# KiCad board JL.kicad_pcb (continued)
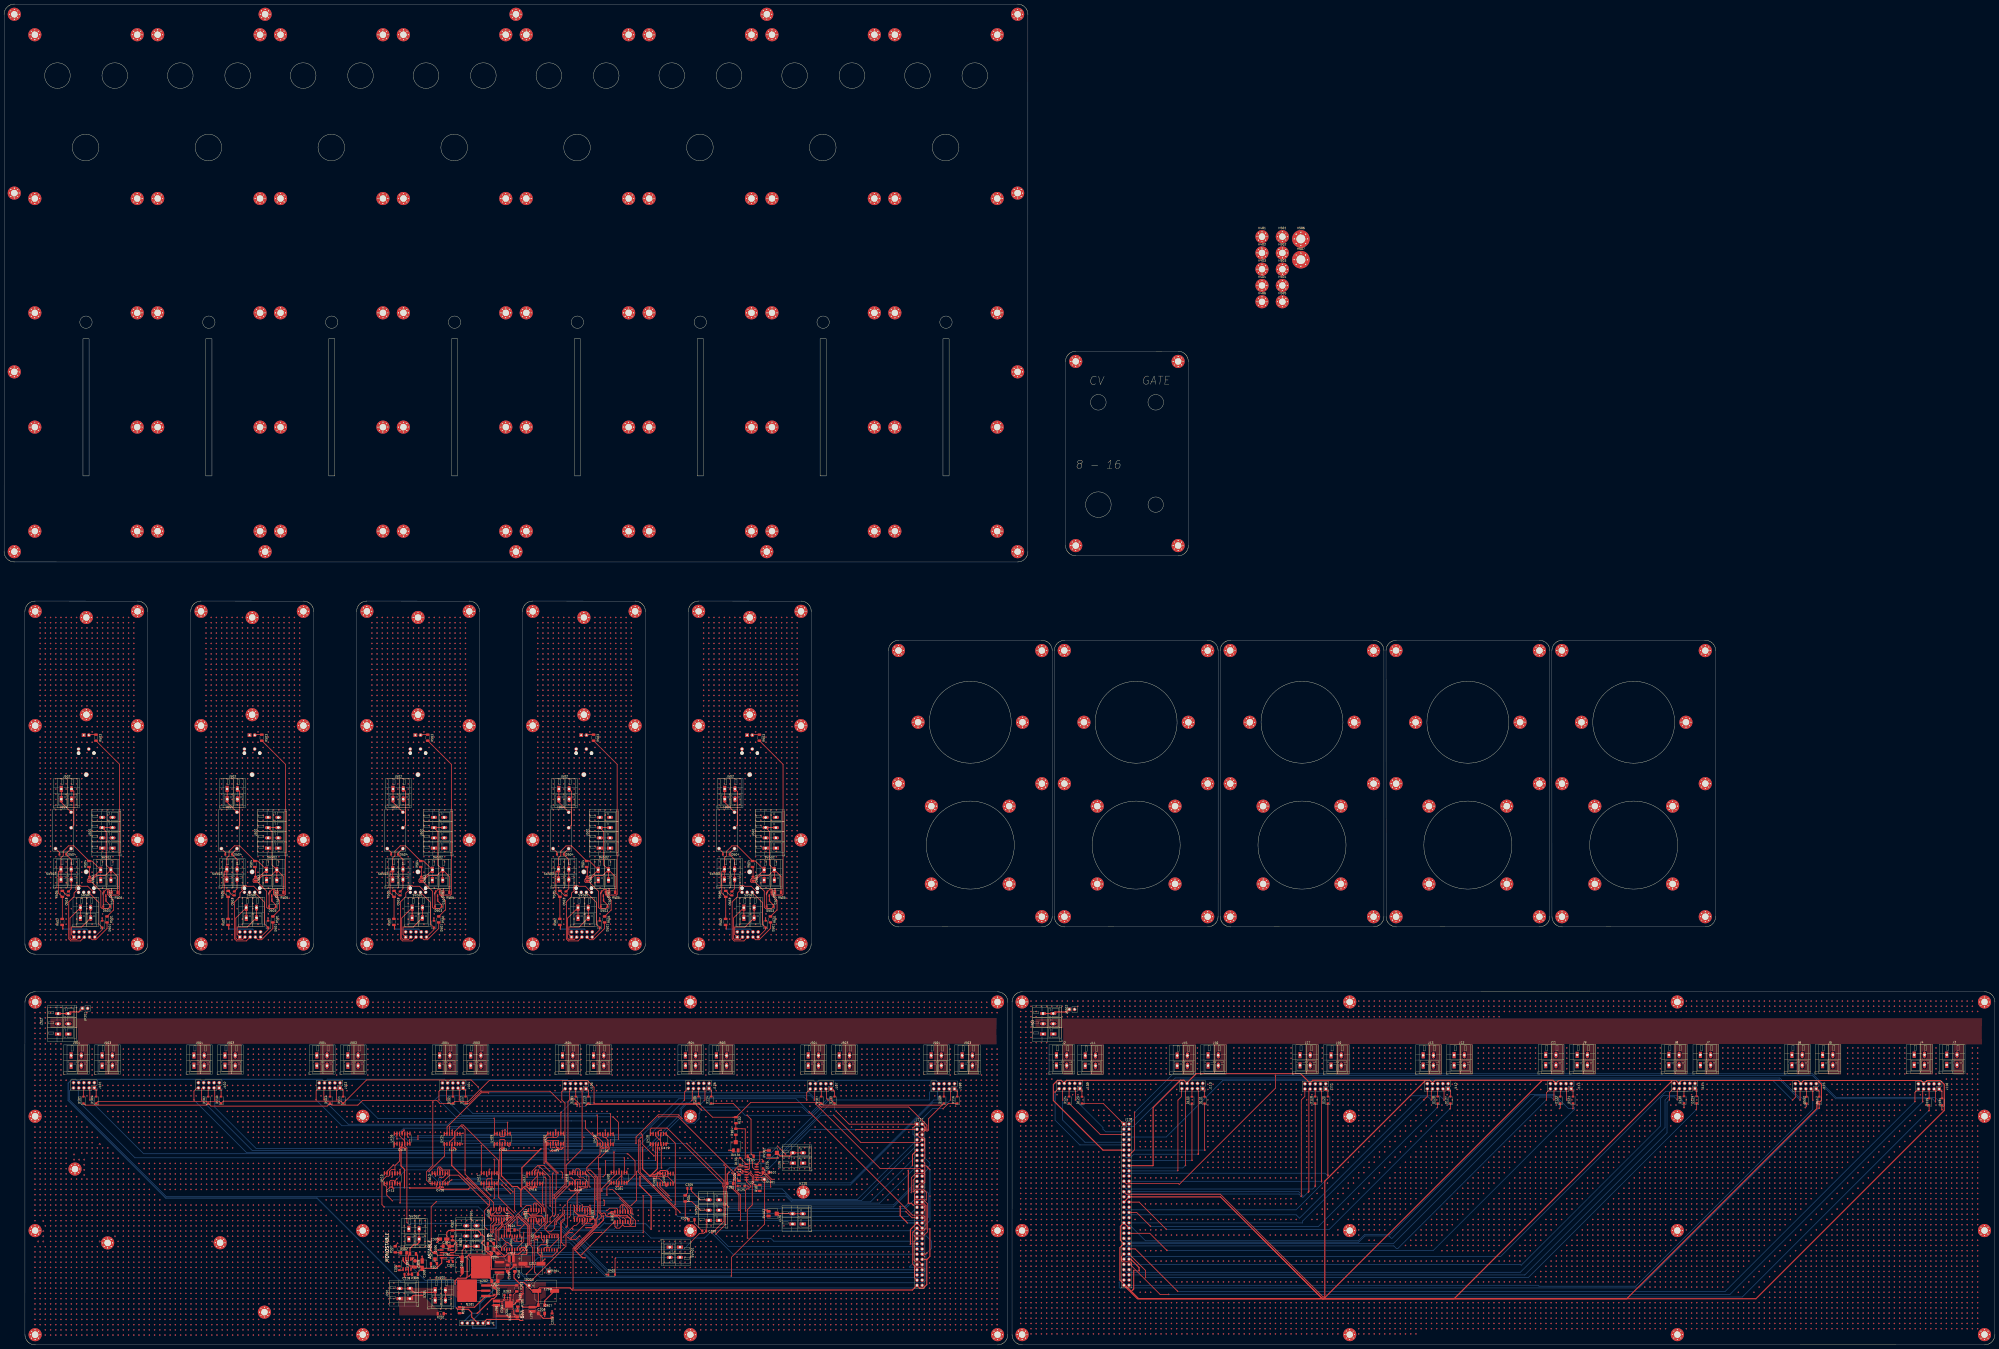
[diagram p0: board, top side]
## Routing (per net, layer and track width the routed paths; a pad name or vN(x,y) marks a point on that pad's centre or on a via; arc(x,y) is an arc through that point) (continued)
v1(661.54,15.55) v1(661.54,13.01) v1(661.54,10.47) v1(661.54,7.93) v1(661.54,5.39) v1(664.08,167.95) v1(664.08,165.41) v1(664.08,162.87) v1(664.08,160.33) v1(664.08,145.09) v1(664.08,142.55) v1(664.08,140.01) v1(664.08,137.47) v1(664.08,134.93) v1(664.08,127.31) v1(664.08,124.77) v1(664.08,122.23) v1(664.08,119.69) v1(664.08,117.15) v1(664.08,114.61) v1(664.08,112.07) v1(664.08,109.53) v1(664.08,106.99) v1(664.08,104.45) v1(664.08,101.91) v1(664.08,96.83) v1(664.08,86.67) v1(664.08,84.13) v1(664.08,76.51) v1(664.08,68.89) v1(664.08,66.35) v1(664.08,63.81) v1(664.08,61.27) v1(664.08,58.73) v1(664.08,56.19) v1(664.08,30.79) v1(664.08,20.63) v1(664.08,18.09) v1(664.08,15.55) v1(664.08,13.01) v1(664.08,10.47) v1(664.08,7.93) v1(664.08,5.39) v1(666.62,167.95) v1(666.62,165.41) v1(666.62,162.87) v1(666.62,160.33) v1(666.62,145.09) v1(666.62,142.55) v1(666.62,140.01) v1(666.62,137.47) v1(666.62,134.93) v1(666.62,127.31) v1(666.62,124.77) v1(666.62,122.23) v1(666.62,119.69) v1(666.62,117.15) v1(666.62,114.61) v1(666.62,112.07) v1(666.62,109.53) v1(666.62,106.99) v1(666.62,104.45) v1(666.62,99.37) v1(666.62,89.21) v1(666.62,86.67) v1(666.62,79.05) v1(666.62,71.43) v1(666.62,68.89) v1(666.62,66.35) v1(666.62,63.81) v1(666.62,61.27) v1(666.62,58.73) v1(666.62,56.19) v1(666.62,51.11) v1(666.62,40.95) v1(666.62,30.79) v1(666.62,20.63) v1(666.62,18.09) v1(666.62,15.55) v1(666.62,13.01) v1(666.62,10.47) v1(666.62,7.93) v1(666.62,5.39) v1(669.16,167.95) v1(669.16,165.41) v1(669.16,162.87) v1(669.16,160.33) v1(669.16,145.09) v1(669.16,142.55) v1(669.16,140.01) v1(669.16,137.47) v1(669.16,134.93) v1(669.16,127.31) v1(669.16,124.77) v1(669.16,122.23) v1(669.16,119.69) v1(669.16,117.15) v1(669.16,114.61) v1(669.16,112.07) v1(669.16,109.53) v1(669.16,106.99) v1(669.16,101.91) v1(669.16,91.75) v1(669.16,89.21) v1(669.16,81.59) v1(669.16,73.97) v1(669.16,71.43) v1(669.16,68.89) v1(669.16,66.35) v1(669.16,63.81) v1(669.16,61.27) v1(669.16,58.73) v1(669.16,56.19) v1(669.16,51.11) v1(669.16,40.95) v1(669.16,30.79) v1(669.16,20.63) v1(669.16,18.09) v1(669.16,15.55) v1(669.16,13.01) v1(669.16,10.47) v1(669.16,7.93) v1(669.16,5.39) v1(671.7,167.95) v1(671.7,165.41) v1(671.7,162.87) v1(671.7,160.33) v1(671.7,145.09) v1(671.7,142.55) v1(671.7,140.01) v1(671.7,137.47) v1(671.7,134.93) v1(671.7,127.31) v1(671.7,124.77) v1(671.7,122.23) v1(671.7,119.69) v1(671.7,117.15) v1(671.7,114.61) v1(671.7,112.07) v1(671.7,109.53) v1(671.7,104.45) v1(671.7,94.29) v1(671.7,91.75) v1(671.7,84.13) v1(671.7,76.51) v1(671.7,73.97) v1(671.7,71.43) v1(671.7,68.89) v1(671.7,66.35) v1(671.7,63.81) v1(671.7,61.27) v1(671.7,58.73) v1(671.7,56.19) v1(671.7,40.95) v1(671.7,30.79) v1(671.7,20.63) v1(671.7,18.09) v1(671.7,15.55) v1(671.7,13.01) v1(671.7,10.47) v1(671.7,7.93) v1(671.7,5.39) v1(674.24,167.95) v1(674.24,165.41) v1(674.24,162.87) v1(674.24,160.33) v1(674.24,145.09) v1(674.24,142.55) v1(674.24,140.01) v1(674.24,137.47) v1(674.24,134.93) v1(674.24,127.31) v1(674.24,124.77) v1(674.24,122.23) v1(674.24,119.69) v1(674.24,117.15) v1(674.24,114.61) v1(674.24,112.07) v1(674.24,106.99) v1(674.24,96.83) v1(674.24,94.29) v1(674.24,86.67) v1(674.24,79.05) v1(674.24,76.51) v1(674.24,73.97) v1(674.24,71.43) v1(674.24,68.89) v1(674.24,66.35) v1(674.24,63.81) v1(674.24,61.27) v1(674.24,58.73) v1(674.24,56.19) v1(674.24,40.95) v1(674.24,30.79) v1(674.24,20.63) v1(674.24,18.09) v1(674.24,15.55) v1(674.24,13.01) v1(674.24,10.47) v1(674.24,7.93) v1(674.24,5.39) v1(676.78,167.95) v1(676.78,165.41) v1(676.78,162.87) v1(676.78,160.33) v1(676.78,145.09) v1(676.78,142.55) v1(676.78,140.01) v1(676.78,137.47) v1(676.78,134.93) v1(676.78,127.31) v1(676.78,124.77) v1(676.78,122.23) v1(676.78,119.69) v1(676.78,117.15) v1(676.78,114.61) v1(676.78,109.53) v1(676.78,99.37) v1(676.78,96.83) v1(676.78,89.21) v1(676.78,81.59) v1(676.78,79.05) v1(676.78,76.51) v1(676.78,73.97) v1(676.78,71.43) v1(676.78,68.89) v1(676.78,66.35) v1(676.78,63.81) v1(676.78,61.27) v1(676.78,58.73) v1(676.78,40.95) v1(676.78,30.79) v1(676.78,20.63) v1(676.78,18.09) v1(676.78,15.55) v1(676.78,13.01) v1(676.78,10.47) v1(676.78,7.93) v1(676.78,5.39) v1(679.32,167.95) v1(679.32,165.41) v1(679.32,162.87) v1(679.32,160.33) v1(679.32,145.09) v1(679.32,142.55) v1(679.32,140.01) v1(679.32,137.47) v1(679.32,134.93) v1(679.32,127.31) v1(679.32,124.77) v1(679.32,122.23) v1(679.32,119.69) v1(679.32,117.15) v1(679.32,112.07) v1(679.32,101.91) v1(679.32,99.37) v1(679.32,91.75) v1(679.32,84.13) v1(679.32,81.59) v1(679.32,79.05) v1(679.32,76.51) v1(679.32,73.97) v1(679.32,71.43) v1(679.32,68.89) v1(679.32,66.35) v1(679.32,63.81) v1(679.32,61.27) v1(679.32,40.95) v1(679.32,30.79) v1(679.32,20.63) v1(679.32,18.09) v1(679.32,15.55) v1(679.32,13.01) v1(679.32,10.47) v1(679.32,7.93) v1(679.32,5.39) v1(681.86,167.95) v1(681.86,165.41) v1(681.86,162.87) v1(681.86,160.33) v1(681.86,145.09) v1(681.86,142.55) v1(681.86,140.01) v1(681.86,137.47) v1(681.86,134.93) v1(681.86,127.31) v1(681.86,124.77) v1(681.86,122.23) v1(681.86,119.69) v1(681.86,114.61) v1(681.86,104.45) v1(681.86,101.91) v1(681.86,94.29) v1(681.86,86.67) v1(681.86,84.13) v1(681.86,81.59) v1(681.86,79.05) v1(681.86,76.51) v1(681.86,73.97) v1(681.86,71.43) v1(681.86,68.89) v1(681.86,66.35) v1(681.86,63.81) v1(681.86,40.95) v1(681.86,30.79) v1(681.86,20.63) v1(681.86,18.09) v1(681.86,15.55) v1(681.86,13.01) v1(681.86,10.47) v1(681.86,7.93) v1(681.86,5.39) v1(684.4,167.95) v1(684.4,165.41) v1(684.4,162.87) v1(684.4,160.33) v1(684.4,145.09) v1(684.4,142.55) v1(684.4,140.01) v1(684.4,137.47) v1(684.4,134.93) v1(684.4,127.31) v1(684.4,124.77) v1(684.4,122.23) v1(684.4,117.15) v1(684.4,106.99) v1(684.4,104.45) v1(684.4,96.83) v1(684.4,89.21) v1(684.4,86.67) v1(684.4,84.13) v1(684.4,81.59) v1(684.4,79.05) v1(684.4,76.51) v1(684.4,73.97) v1(684.4,71.43) v1(684.4,68.89) v1(684.4,66.35) v1(684.4,48.57) v1(684.4,40.95) v1(684.4,30.79) v1(684.4,20.63) v1(684.4,18.09) v1(684.4,15.55) v1(684.4,13.01) v1(684.4,10.47) v1(684.4,7.93) v1(684.4,5.39) v1(686.94,167.95) v1(686.94,165.41) v1(686.94,162.87) v1(686.94,160.33) v1(686.94,145.09) v1(686.94,142.55) v1(686.94,140.01) v1(686.94,137.47) v1(686.94,134.93) v1(686.94,127.31) v1(686.94,124.77) v1(686.94,119.69) v1(686.94,109.53) v1(686.94,106.99) v1(686.94,99.37) v1(686.94,91.75) v1(686.94,89.21) v1(686.94,86.67) v1(686.94,84.13) v1(686.94,81.59) v1(686.94,79.05) v1(686.94,76.51) v1(686.94,73.97) v1(686.94,71.43) v1(686.94,68.89) v1(686.94,51.11) v1(686.94,48.57) v1(686.94,40.95) v1(686.94,30.79) v1(686.94,20.63) v1(686.94,18.09) v1(686.94,15.55) v1(686.94,13.01) v1(686.94,10.47) v1(686.94,7.93) v1(686.94,5.39) v1(689.48,167.95) v1(689.48,165.41) v1(689.48,162.87) v1(689.48,160.33) v1(689.48,127.31) v1(689.48,112.07) v1(689.48,109.53) v1(689.48,101.91) v1(689.48,94.29) v1(689.48,91.75) v1(689.48,89.21) v1(689.48,86.67) v1(689.48,84.13) v1(689.48,81.59) v1(689.48,79.05) v1(689.48,76.51) v1(689.48,73.97) v1(689.48,71.43) v1(689.48,53.65) v1(689.48,51.11) v1(689.48,48.57) v1(689.48,40.95) v1(689.48,30.79) v1(689.48,20.63) v1(689.48,18.09) v1(689.48,15.55) v1(689.48,13.01) v1(689.48,10.47) v1(689.48,7.93) v1(689.48,5.39) v1(692.02,167.95) v1(692.02,165.41) v1(692.02,162.87) v1(692.02,160.33) v1(692.02,124.77) v1(692.02,114.61) v1(692.02,112.07) v1(692.02,104.45) v1(692.02,96.83) v1(692.02,94.29) v1(692.02,91.75) v1(692.02,89.21) v1(692.02,86.67) v1(692.02,84.13) v1(692.02,81.59) v1(692.02,79.05) v1(692.02,76.51) v1(692.02,73.97) v1(692.02,56.19) v1(692.02,53.65) v1(692.02,51.11) v1(692.02,48.57) v1(692.02,40.95) v1(692.02,30.79) v1(692.02,20.63) v1(692.02,18.09) v1(692.02,15.55) v1(692.02,13.01) v1(692.02,10.47) v1(692.02,7.93) v1(694.56,167.95) v1(694.56,165.41) v1(694.56,162.87) v1(694.56,160.33) v1(694.56,117.15) v1(694.56,114.61) v1(694.56,106.99) v1(694.56,99.37) v1(694.56,96.83) v1(694.56,94.29) v1(694.56,91.75) v1(694.56,89.21) v1(694.56,86.67) v1(694.56,84.13) v1(694.56,81.59) v1(694.56,79.05) v1(694.56,76.51) v1(694.56,58.73) v1(694.56,56.19) v1(694.56,53.65) v1(694.56,51.11) v1(694.56,48.57) v1(694.56,40.95) v1(694.56,30.79) v1(694.56,20.63) v1(694.56,18.09) v1(694.56,15.55) v1(694.56,13.01) v1(694.56,10.47) v1(694.56,7.93) v1(697.1,167.95) v1(697.1,165.41) v1(697.1,162.87) v1(697.1,160.33) v1(697.1,117.15) v1(697.1,109.53) v1(697.1,101.91) v1(697.1,99.37) v1(697.1,96.83) v1(697.1,94.29) v1(697.1,91.75) v1(697.1,89.21) v1(697.1,86.67) v1(697.1,84.13) v1(697.1,81.59) v1(697.1,79.05) v1(697.1,61.27) v1(697.1,58.73) v1(697.1,56.19) v1(697.1,53.65) v1(697.1,51.11) v1(697.1,48.57) v1(697.1,40.95) v1(697.1,30.79) v1(697.1,20.63) v1(697.1,18.09) v1(697.1,15.55) v1(697.1,13.01) v1(697.1,10.47) v1(697.1,7.93) v1(699.64,167.95) v1(699.64,165.41) v1(699.64,162.87) v1(699.64,160.33) v1(699.64,119.69) v1(699.64,112.07) v1(699.64,104.45) v1(699.64,101.91) v1(699.64,99.37) v1(699.64,96.83) v1(699.64,94.29) v1(699.64,91.75) v1(699.64,89.21) v1(699.64,86.67) v1(699.64,84.13) v1(699.64,81.59) v1(699.64,63.81) v1(699.64,61.27) v1(699.64,58.73) v1(699.64,56.19) v1(699.64,53.65) v1(699.64,51.11) v1(699.64,40.95) v1(699.64,30.79) v1(699.64,20.63) v1(699.64,18.09) v1(699.64,15.55) v1(699.64,13.01) v1(699.64,10.47) v1(699.64,7.93) v1(702.18,167.95) v1(702.18,165.41) v1(702.18,162.87) v1(702.18,160.33) v1(702.18,117.15) v1(702.18,114.61) v1(702.18,106.99) v1(702.18,104.45) v1(702.18,101.91) v1(702.18,99.37) v1(702.18,96.83) v1(702.18,94.29) v1(702.18,91.75) v1(702.18,89.21) v1(702.18,86.67) v1(702.18,84.13) v1(702.18,66.35) v1(702.18,63.81) v1(702.18,61.27) v1(702.18,58.73) v1(702.18,56.19) v1(702.18,53.65) v1(702.18,46.03) v1(702.18,40.95) v1(702.18,30.79) v1(702.18,20.63) v1(702.18,18.09) v1(702.18,15.55) v1(702.18,13.01) v1(702.18,10.47) v1(702.18,7.93) v1(704.72,167.95) v1(704.72,165.41) v1(704.72,162.87) v1(704.72,160.33) v1(704.72,122.23) v1(704.72,117.15) v1(704.72,109.53) v1(704.72,106.99) v1(704.72,104.45) v1(704.72,101.91) v1(704.72,99.37) v1(704.72,96.83) v1(704.72,94.29) v1(704.72,91.75) v1(704.72,89.21) v1(704.72,86.67) v1(704.72,68.89) v1(704.72,66.35) v1(704.72,63.81) v1(704.72,61.27) v1(704.72,58.73) v1(704.72,56.19) v1(704.72,48.57) v1(704.72,46.03) v1(704.72,40.95) v1(704.72,30.79) v1(704.72,20.63) v1(704.72,18.09) v1(704.72,15.55) v1(704.72,13.01) v1(704.72,10.47) v1(704.72,7.93) v1(707.26,167.95) v1(707.26,165.41) v1(707.26,162.87) v1(707.26,160.33) v1(707.26,127.31) v1(707.26,119.69) v1(707.26,112.07) v1(707.26,109.53) v1(707.26,106.99) v1(707.26,104.45) v1(707.26,101.91) v1(707.26,99.37) v1(707.26,96.83) v1(707.26,94.29) v1(707.26,91.75) v1(707.26,89.21) v1(707.26,71.43) v1(707.26,68.89) v1(707.26,66.35) v1(707.26,63.81) v1(707.26,61.27) v1(707.26,58.73) v1(707.26,51.11) v1(707.26,48.57) v1(707.26,46.03) v1(707.26,40.95) v1(707.26,30.79) v1(707.26,20.63) v1(707.26,18.09) v1(707.26,15.55) v1(707.26,13.01) v1(707.26,10.47) v1(707.26,7.93) v1(709.8,167.95) v1(709.8,165.41) v1(709.8,162.87) v1(709.8,160.33) v1(709.8,127.31) v1(709.8,124.77) v1(709.8,122.23) v1(709.8,119.69) v1(709.8,117.15) v1(709.8,114.61) v1(709.8,112.07) v1(709.8,109.53) v1(709.8,106.99) v1(709.8,104.45) v1(709.8,101.91) v1(709.8,99.37) v1(709.8,96.83) v1(709.8,94.29) v1(709.8,91.75) v1(709.8,73.97) v1(709.8,71.43) v1(709.8,68.89) v1(709.8,66.35) v1(709.8,63.81) v1(709.8,61.27) v1(709.8,53.65) v1(709.8,51.11) v1(709.8,48.57) v1(709.8,46.03) v1(709.8,40.95) v1(709.8,30.79) v1(709.8,20.63) v1(709.8,18.09) v1(709.8,15.55) v1(709.8,13.01) v1(709.8,10.47) v1(709.8,7.93) v1(712.34,167.95) v1(712.34,165.41) v1(712.34,162.87) v1(712.34,160.33) v1(712.34,127.31) v1(712.34,124.77) v1(712.34,122.23) v1(712.34,119.69) v1(712.34,117.15) v1(712.34,114.61) v1(712.34,112.07) v1(712.34,109.53) v1(712.34,106.99) v1(712.34,104.45) v1(712.34,101.91) v1(712.34,99.37) v1(712.34,96.83) v1(712.34,94.29) v1(712.34,76.51) v1(712.34,73.97) v1(712.34,71.43) v1(712.34,68.89) v1(712.34,66.35) v1(712.34,63.81) v1(712.34,56.19) v1(712.34,53.65) v1(712.34,51.11) v1(712.34,48.57) v1(712.34,46.03) v1(712.34,40.95) v1(712.34,30.79) v1(712.34,20.63) v1(712.34,18.09) v1(712.34,15.55) v1(712.34,13.01) v1(712.34,10.47) v1(712.34,7.93) v1(714.88,167.95) v1(714.88,165.41) v1(714.88,162.87) v1(714.88,160.33) v1(714.88,127.31) v1(714.88,124.77) v1(714.88,122.23) v1(714.88,119.69) v1(714.88,117.15) v1(714.88,114.61) v1(714.88,112.07) v1(714.88,109.53) v1(714.88,106.99) v1(714.88,104.45) v1(714.88,101.91) v1(714.88,99.37) v1(714.88,96.83) v1(714.88,79.05) v1(714.88,76.51) v1(714.88,73.97) v1(714.88,71.43) v1(714.88,68.89) v1(714.88,66.35) v1(714.88,58.73) v1(714.88,56.19) v1(714.88,53.65) v1(714.88,51.11) v1(714.88,48.57) v1(714.88,46.03) v1(714.88,40.95) v1(714.88,20.63) v1(714.88,18.09) v1(714.88,15.55) v1(714.88,13.01) v1(714.88,10.47) v1(714.88,7.93) v1(717.42,167.95) v1(717.42,165.41) v1(717.42,162.87) v1(717.42,160.33) v1(717.42,127.31) v1(717.42,124.77) v1(717.42,122.23) v1(717.42,119.69) v1(717.42,117.15) v1(717.42,114.61) v1(717.42,112.07) v1(717.42,109.53) v1(717.42,106.99) v1(717.42,104.45) v1(717.42,101.91) v1(717.42,99.37) v1(717.42,81.59) v1(717.42,79.05) v1(717.42,76.51) v1(717.42,73.97) v1(717.42,71.43) v1(717.42,68.89) v1(717.42,61.27) v1(717.42,58.73) v1(717.42,56.19) v1(717.42,53.65) v1(717.42,51.11) v1(717.42,48.57) v1(717.42,46.03) v1(717.42,40.95) v1(717.42,20.63) v1(717.42,18.09) v1(717.42,15.55) v1(717.42,13.01) v1(717.42,10.47) v1(717.42,7.93) v1(719.96,167.95) v1(719.96,165.41) v1(719.96,162.87) v1(719.96,160.33) v1(719.96,145.09) v1(719.96,142.55) v1(719.96,140.01) v1(719.96,137.47) v1(719.96,134.93) v1(719.96,127.31) v1(719.96,124.77) v1(719.96,122.23) v1(719.96,119.69) v1(719.96,117.15) v1(719.96,114.61) v1(719.96,112.07) v1(719.96,109.53) v1(719.96,106.99) v1(719.96,104.45) v1(719.96,101.91) v1(719.96,84.13) v1(719.96,81.59) v1(719.96,79.05) v1(719.96,76.51) v1(719.96,73.97) v1(719.96,71.43) v1(719.96,63.81) v1(719.96,61.27) v1(719.96,58.73) v1(719.96,56.19) v1(719.96,53.65) v1(719.96,51.11) v1(719.96,48.57) v1(719.96,46.03) v1(719.96,40.95) v1(719.96,30.79) v1(719.96,20.63) v1(719.96,18.09) v1(719.96,15.55) v1(719.96,13.01) v1(719.96,10.47) v1(719.96,7.93) v1(722.5,167.95) v1(722.5,165.41) v1(722.5,162.87) v1(722.5,160.33) v1(722.5,145.09) v1(722.5,142.55) v1(722.5,140.01) v1(722.5,137.47) v1(722.5,134.93) v1(722.5,127.31) v1(722.5,124.77) v1(722.5,122.23) v1(722.5,119.69) v1(722.5,117.15) v1(722.5,114.61) v1(722.5,112.07) v1(722.5,109.53) v1(722.5,106.99) v1(722.5,104.45) v1(722.5,86.67) v1(722.5,84.13) v1(722.5,81.59) v1(722.5,79.05) v1(722.5,76.51) v1(722.5,73.97) v1(722.5,66.35) v1(722.5,63.81) v1(722.5,61.27) v1(722.5,58.73) v1(722.5,56.19) v1(722.5,53.65) v1(722.5,51.11) v1(722.5,48.57) v1(722.5,46.03) v1(722.5,40.95) v1(722.5,30.79) v1(722.5,20.63) v1(722.5,18.09) v1(722.5,15.55) v1(722.5,13.01) v1(722.5,10.47) v1(722.5,7.93) v1(725.04,167.95) v1(725.04,165.41) v1(725.04,162.87) v1(725.04,160.33) v1(725.04,145.09) v1(725.04,142.55) v1(725.04,140.01) v1(725.04,137.47) v1(725.04,134.93) v1(725.04,127.31) v1(725.04,124.77) v1(725.04,122.23) v1(725.04,119.69) v1(725.04,117.15) v1(725.04,114.61) v1(725.04,112.07) v1(725.04,109.53) v1(725.04,106.99) v1(725.04,89.21) v1(725.04,86.67) v1(725.04,84.13) v1(725.04,81.59) v1(725.04,79.05) v1(725.04,76.51) v1(725.04,68.89) v1(725.04,66.35) v1(725.04,63.81) v1(725.04,61.27) v1(725.04,58.73) v1(725.04,56.19) v1(725.04,53.65) v1(725.04,51.11) v1(725.04,48.57) v1(725.04,46.03) v1(725.04,30.79) v1(725.04,20.63) v1(725.04,18.09) v1(725.04,15.55) v1(725.04,13.01) v1(725.04,10.47) v1(725.04,7.93) v1(727.58,167.95) v1(727.58,165.41) v1(727.58,162.87) v1(727.58,160.33) v1(727.58,145.09) v1(727.58,142.55) v1(727.58,140.01) v1(727.58,137.47) v1(727.58,134.93) v1(727.58,127.31) v1(727.58,124.77) v1(727.58,122.23) v1(727.58,119.69) v1(727.58,117.15) v1(727.58,114.61) v1(727.58,112.07) v1(727.58,109.53) v1(727.58,91.75) v1(727.58,89.21) v1(727.58,86.67) v1(727.58,84.13) v1(727.58,81.59) v1(727.58,79.05) v1(727.58,71.43) v1(727.58,68.89) v1(727.58,66.35) v1(727.58,63.81) v1(727.58,61.27) v1(727.58,58.73) v1(727.58,56.19) v1(727.58,53.65) v1(727.58,51.11) v1(727.58,48.57) v1(727.58,46.03) v1(727.58,30.79) v1(727.58,20.63) v1(727.58,18.09) v1(727.58,15.55) v1(727.58,13.01) v1(727.58,10.47) v1(727.58,7.93) v1(730.12,167.95) v1(730.12,165.41) v1(730.12,162.87) v1(730.12,160.33) v1(730.12,145.09) v1(730.12,142.55) v1(730.12,140.01) v1(730.12,137.47) v1(730.12,134.93) v1(730.12,127.31) v1(730.12,124.77) v1(730.12,122.23) v1(730.12,119.69) v1(730.12,117.15) v1(730.12,114.61) v1(730.12,112.07) v1(730.12,94.29) v1(730.12,91.75) v1(730.12,89.21) v1(730.12,86.67) v1(730.12,84.13) v1(730.12,81.59) v1(730.12,73.97) v1(730.12,71.43) v1(730.12,68.89) v1(730.12,66.35) v1(730.12,63.81) v1(730.12,61.27) v1(730.12,58.73) v1(730.12,56.19) v1(730.12,53.65) v1(730.12,51.11) v1(730.12,48.57) v1(730.12,40.95) v1(730.12,30.79) v1(730.12,20.63) v1(730.12,18.09) v1(730.12,15.55) v1(730.12,13.01) v1(730.12,10.47) v1(730.12,7.93) v1(732.66,167.95) v1(732.66,165.41) v1(732.66,162.87) v1(732.66,145.09) v1(732.66,142.55) v1(732.66,140.01) v1(732.66,137.47) v1(732.66,134.93) v1(732.66,127.31) v1(732.66,124.77) v1(732.66,122.23) v1(732.66,119.69) v1(732.66,117.15) v1(732.66,114.61) v1(732.66,96.83) v1(732.66,94.29) v1(732.66,91.75) v1(732.66,89.21) v1(732.66,86.67) v1(732.66,84.13) v1(732.66,76.51) v1(732.66,73.97) v1(732.66,71.43) v1(732.66,68.89) v1(732.66,66.35) v1(732.66,63.81) v1(732.66,61.27) v1(732.66,58.73) v1(732.66,56.19) v1(732.66,53.65) v1(732.66,51.11) v1(732.66,40.95) v1(732.66,30.79) v1(732.66,20.63) v1(732.66,18.09) v1(732.66,15.55) v1(732.66,13.01) v1(732.66,10.47) v1(732.66,7.93) v1(735.2,167.95) v1(735.2,165.41) v1(735.2,162.87) v1(735.2,145.09) v1(735.2,142.55) v1(735.2,140.01) v1(735.2,137.47) v1(735.2,134.93) v1(735.2,127.31) v1(735.2,124.77) v1(735.2,122.23) v1(735.2,119.69) v1(735.2,117.15) v1(735.2,99.37) v1(735.2,96.83) v1(735.2,94.29) v1(735.2,91.75) v1(735.2,89.21) v1(735.2,86.67) v1(735.2,79.05) v1(735.2,76.51) v1(735.2,73.97) v1(735.2,71.43) v1(735.2,68.89) v1(735.2,66.35) v1(735.2,63.81) v1(735.2,61.27) v1(735.2,58.73) v1(735.2,56.19) v1(735.2,53.65) v1(735.2,43.49) v1(735.2,40.95) v1(735.2,30.79) v1(735.2,20.63) v1(735.2,18.09) v1(735.2,15.55) v1(735.2,13.01) v1(735.2,10.47) v1(735.2,7.93) v1(737.74,167.95) v1(737.74,165.41) v1(737.74,162.87) v1(737.74,145.09) v1(737.74,142.55) v1(737.74,140.01) v1(737.74,137.47) v1(737.74,134.93) v1(737.74,127.31) v1(737.74,124.77) v1(737.74,122.23) v1(737.74,119.69) v1(737.74,101.91) v1(737.74,99.37) v1(737.74,96.83) v1(737.74,94.29) v1(737.74,91.75) v1(737.74,89.21) v1(737.74,81.59) v1(737.74,79.05) v1(737.74,76.51) v1(737.74,73.97) v1(737.74,71.43) v1(737.74,68.89) v1(737.74,66.35) v1(737.74,63.81) v1(737.74,61.27) v1(737.74,58.73) v1(737.74,56.19) v1(737.74,46.03) v1(737.74,43.49) v1(737.74,40.95) v1(737.74,30.79) v1(737.74,20.63) v1(737.74,18.09) v1(737.74,15.55) v1(737.74,13.01) v1(737.74,10.47) v1(737.74,7.93) v1(740.28,167.95) v1(740.28,165.41) v1(740.28,162.87) v1(740.28,145.09) v1(740.28,142.55) v1(740.28,140.01) v1(740.28,137.47) v1(740.28,134.93) v1(740.28,127.31) v1(740.28,124.77) v1(740.28,122.23) v1(740.28,104.45) v1(740.28,101.91) v1(740.28,99.37) v1(740.28,96.83) v1(740.28,94.29) v1(740.28,91.75) v1(740.28,84.13) v1(740.28,81.59) v1(740.28,79.05) v1(740.28,76.51) v1(740.28,73.97) v1(740.28,71.43) v1(740.28,68.89) v1(740.28,66.35) v1(740.28,63.81) v1(740.28,61.27) v1(740.28,58.73) v1(740.28,48.57) v1(740.28,46.03) v1(740.28,43.49) v1(740.28,40.95) v1(740.28,30.79) v1(740.28,20.63) v1(740.28,18.09) v1(740.28,15.55) v1(740.28,13.01) v1(740.28,10.47) v1(740.28,7.93) v1(742.82,167.95) v1(742.82,165.41) v1(742.82,162.87) v1(742.82,145.09) v1(742.82,142.55) v1(742.82,140.01) v1(742.82,137.47) v1(742.82,134.93) v1(742.82,127.31) v1(742.82,124.77) v1(742.82,106.99) v1(742.82,104.45) v1(742.82,101.91) v1(742.82,99.37) v1(742.82,96.83) v1(742.82,94.29) v1(742.82,86.67) v1(742.82,84.13) v1(742.82,81.59) v1(742.82,79.05) v1(742.82,76.51) v1(742.82,73.97) v1(742.82,71.43) v1(742.82,68.89) v1(742.82,66.35) v1(742.82,63.81) 